# Altium PCB CYAN_EVSE_Logic_board_v1.0.PcbDoc (continued)
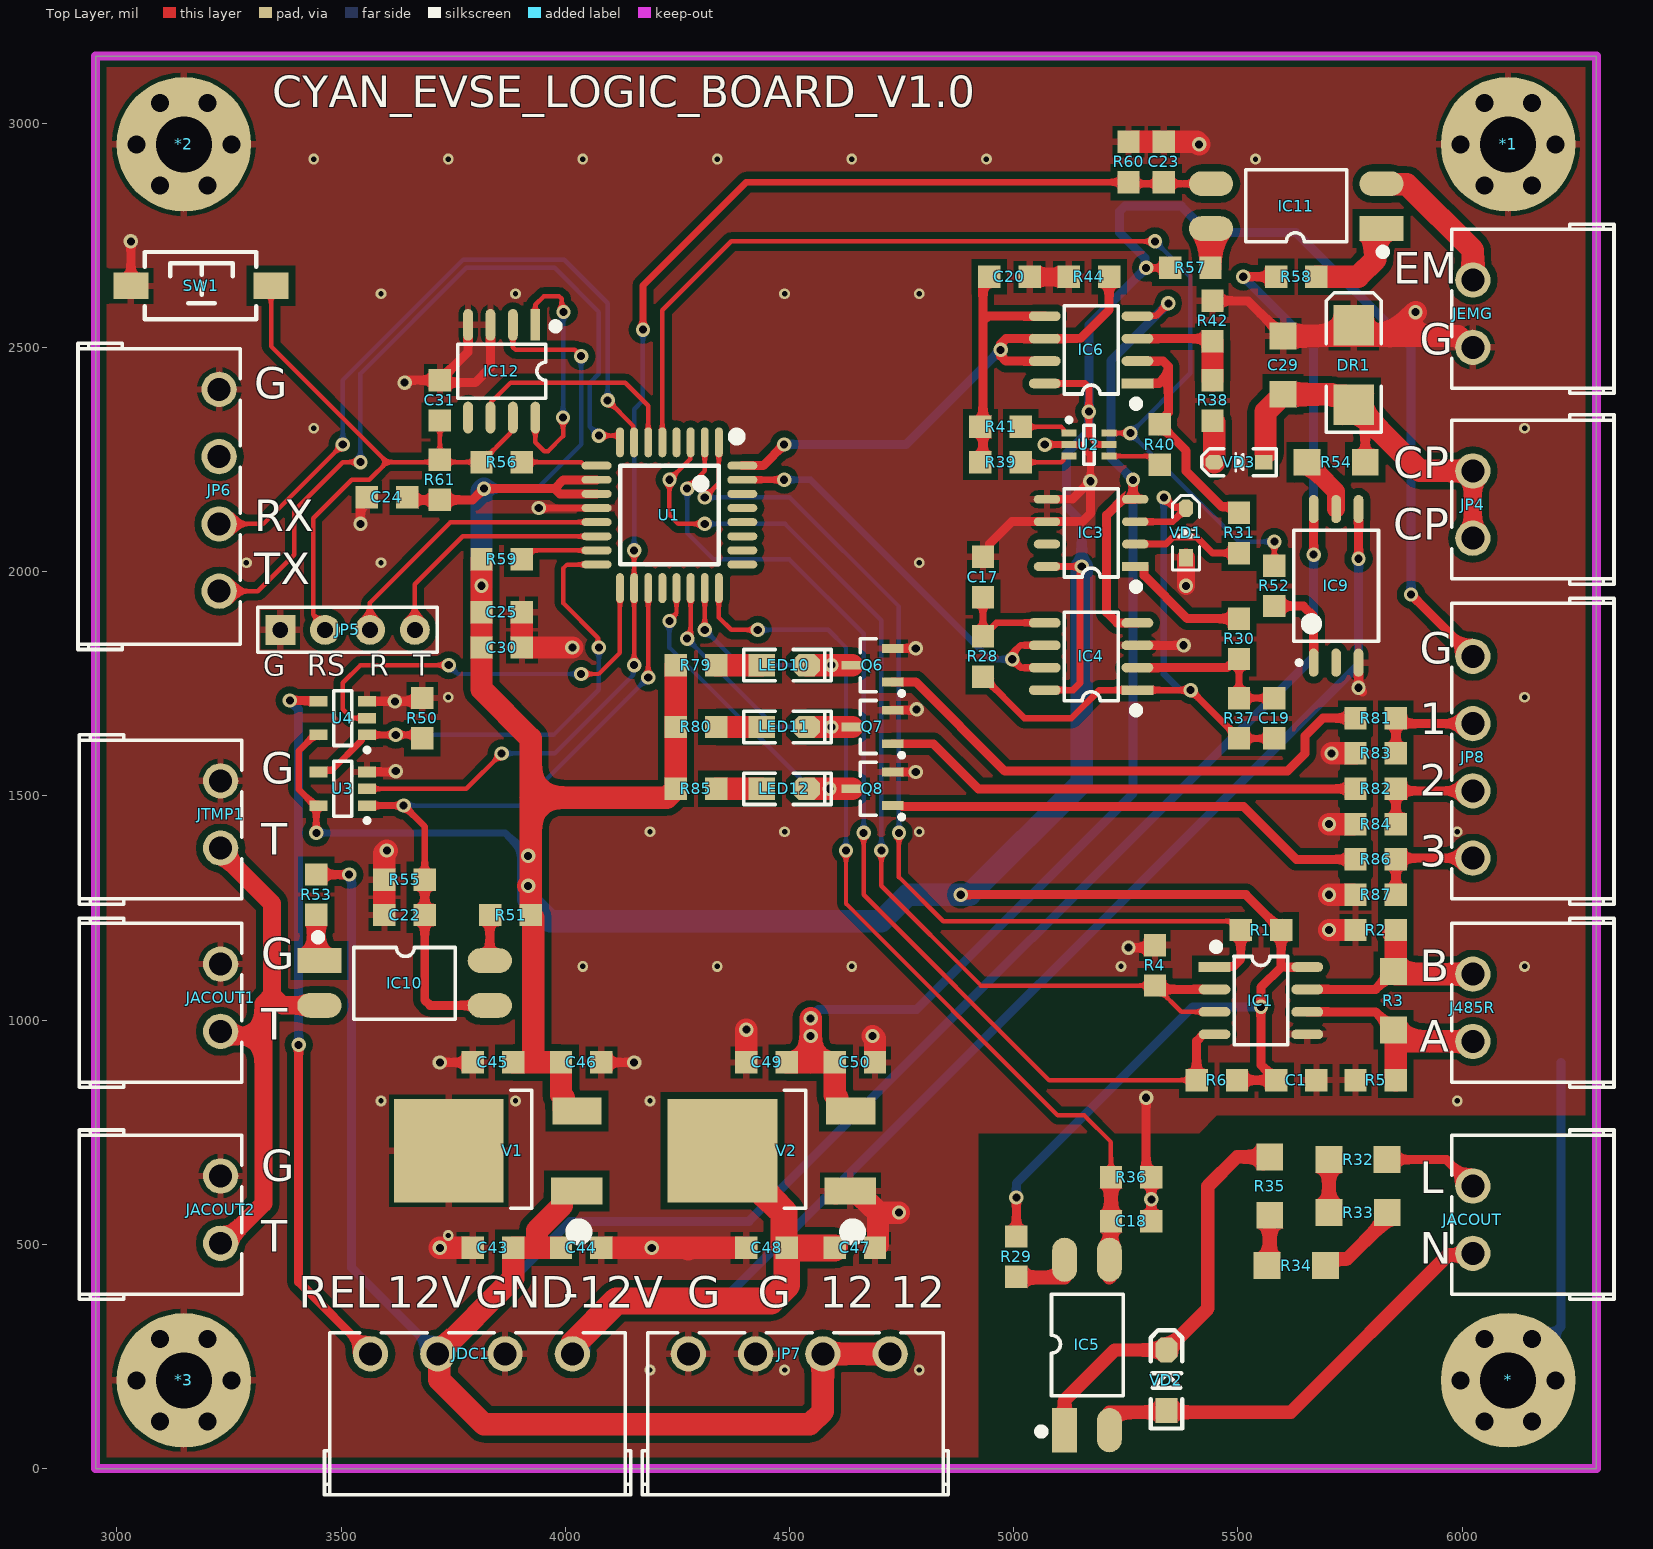
[diagram p0: Top Layer view]
## Part data
* *1 *2 *3: "铜柱孔"
C1 C17 C18 C19 C20 C22 C23 C24 C25 C30 C31: "无极性贴片电容", Voltage=20V
C29 C43 C44 C45 C46 C47 C48 C49 C50: "无极性贴片电容", Voltage=50V
DR1: library part DR, "瞬态电压抑制二极管"
IC1: "RS485总线收发芯片"
IC3: "双路电压比较,MOS下臂输出"
IC4 IC6: library part LM358, "双路运放"
IC5 IC10 IC11: "线性光耦"
IC9: "MOSFET/IGBT 驱动光耦，15-30v 1a"
IC12: library part SP706, "处理器监控芯片"
J485R JACOUT JACOUT1 JACOUT2 JEMG JP4 JTMP1: library part "Header 2", "2P接插件"
JDC1 JP5 JP6 JP7 JP8: library part "Header 4", "4P接插件"
LED10 LED11 LED12: library part LED-SMD, "贴片LED"
Q6 Q7 Q8: library part 9014-SMD, "低噪放大-NPN型"
R1 R2 R3 R4 R5 R6 R28 R29 R30 R31 R32 R33 R34 R35 R36 R37 R38 R39 R40 R41 R42 R44 R50 R51 R52 R53 R54 R55 R56 R57 R58 R59 R60 R61 R79 R80 R81 R82 R83 R84 R85 R86 R87: "贴片电阻"
SW1: library part "TSW 3x6"
U2: "Single-Pole, Double-Throw Analog Switch, DCK0006A, LARGE T&R", F @ Nom Voltage(Max)(Mhz)=150, Generic Part Number=SN74LVC1G3157, ICC @ Nom Voltage(Max)(mA)=0.01, Manufacturer="Texas Instruments", Operating Temperature Range(C)="-40 to 85", Rating=Catalog, Supplier Part Number 1=595-SN74LVC1G3157DCK, tpd @ Nom Voltage(Max)(ns)=2,1.2,0.8,0.3, Voltage(Nom)(V)=1.8,2.5,3.3,5, 3-State Output=No, Bits(#)=1, Channels(#)=1, ComponentLink1Description="Manufacturer URL", ComponentLink1URL=http://www.ti.com/, ComponentLink2Description=Datasheet, ComponentLink2URL=http://www.ti.com/lit/ds/symlink/sn74lvc1g3157.pdf, DatasheetVersion=SCES424H, Input Type=CMOS/TTL, Logic=True, Mux Configuration=1：2, Output Drive (IOL/IOH)(Max)(mA)=32/-32, Output Type=CMOS, PackageReference=DCK0006A, PartNumber=SN74LVC1G3157DCKR, Schmitt Trigger=No, Sub-Family="Analog Switch", Supplier 1=Mouser, Supplier 2=Digi-Key, Supplier 3=Digi-Key, Supplier 4=Digi-Key, Supplier Part Number 2=296-14909-2-ND, Supplier Part Number 3=296-14909-1-ND, Supplier Part Number 4=296-14909-6-ND, Switch Configuration=SPDT, Technology Family=LVC, VCC(Max)(V)=5.5, VCC(Min)(V)=1.65
U3: "Single 2-Input Positive-NOR Gate, DBV0005A, LARGE T&R", F @ Nom Voltage(Max)(Mhz)=150, Generic Part Number=SN74LVC1G02, ICC @ Nom Voltage(Max)(mA)=0.01, Manufacturer="Texas Instruments", Operating Temperature Range(C)="-40 to 125,-40 to 85", Rating=Catalog, Supplier Part Number 1=595-SN74LVC1G02DBVR, tpd @ Nom Voltage(Max)(ns)=8,5.5,4.5,4, Voltage(Nom)(V)=1.8,2.5,3.3,5, 3-State Output=No, Bits(#)=1, ComponentLink1Description="Manufacturer URL", ComponentLink1URL=http://www.ti.com/, ComponentLink2Description=Datasheet, ComponentLink2URL=http://www.ti.com/lit/ds/symlink/sn74lvc1g02.pdf, DatasheetVersion=SCES213X, Gate Type=NOR, Input Type=CMOS/TTL, Logic=True, Output Drive (IOL/IOH)(Max)(mA)=32/-32, Output Type=CMOS, PackageReference=DBV0005A, PartNumber=SN74LVC1G02DBVR, Schmitt Trigger=No, Sub-Family="NOR Gate", Supplier 1=Mouser, Supplier 2=Digi-Key, Supplier 3=Digi-Key, Supplier 4=Digi-Key, Supplier Part Number 2=296-11597-2-ND, Supplier Part Number 3=296-11597-1-ND, Supplier Part Number 4=296-11597-6-ND, Technology Family=LVC, VCC(Max)(V)=5.5, VCC(Min)(V)=1.65
U4: "Single 2-Input Positive-AND Gate, DBV0005A, LARGE T&R", F @ Nom Voltage(Max)(Mhz)=150, Generic Part Number=SN74LVC1G08, ICC @ Nom Voltage(Max)(mA)=0.01, Manufacturer="Texas Instruments", Operating Temperature Range(C)="-40 to 125,-40 to 85", Rating=Catalog, Supplier Part Number 1=595-SN74LVC1G08DBVR, tpd @ Nom Voltage(Max)(ns)=4.5,6,4,5, Voltage(Nom)(V)=1.8,2.5,3.3,5, 3-State Output=No, Bits(#)=1, ComponentLink1Description="Manufacturer URL", ComponentLink1URL=http://www.ti.com/, ComponentLink2Description=Datasheet, ComponentLink2URL=http://www.ti.com/lit/ds/symlink/sn74lvc1g08.pdf, DatasheetVersion=SCES217Y, Gate Type=AND, Input Type=CMOS/TTL, Logic=True, Output Drive (IOL/IOH)(Max)(mA)=32/-32, Output Type=CMOS, PackageReference=DBV0005A, PartNumber=SN74LVC1G08DBVR, Schmitt Trigger=No, Sub-Family="AND Gate", Supplier 1=Mouser, Supplier 2=Digi-Key, Supplier 3=Digi-Key, Supplier 4=Digi-Key, Supplier Part Number 2=296-11601-2-ND, Supplier Part Number 3=296-11601-1-ND, Supplier Part Number 4=296-11601-6-ND, Technology Family=LVC, VCC(Max)(V)=5.5, VCC(Min)(V)=1.65
V1: library part 78xx, "线性稳压芯片"
V2: library part 79xx, "线性稳压芯片"
VD1 VD3: "高速开关二极管"
VD2: "快恢复整流二极管"

## Via types
v1: diameter 32, hole 18, Top Layer to Bottom Layer, tented both sides, 91 vias
v2: diameter 24, hole 12, Top Layer to Bottom Layer, tented both sides, 35 vias
v3: diameter 32, hole 18, Top Layer to Bottom Layer, 4 vias

## Nets (pads, with @x,y where several pads share a name; then routed paths per layer and width w, separated by ;. In a path a pad name is that pad's centre, name@x,y a point inside that pad or via, vN(x,y) a via of type N, cw(c..) or ccw(c..) an arc to the next point about the centre after c; other vN are vias at no path point)
485_CS: IC1.2 IC1.3 R4.2 U1.3 | length 2327.3
  Top Layer w10: U1.3 4278.47,2287.14 4278.47,2250.91 v1(4232.28,2204.72) 4232.28,2125.98 4251.97,2106.3 v1(4311.02,2106.3) ; v1(4704.72,1377.95) 4704.72,1299.21 4926.89,1077.05 R4.2 5323.7,1068.31 5373.7,1018.31 IC1.3
  Top Layer w20: R4.2@5323.7,1068.31 IC1.2
  Bottom Layer w10: v1(4311.02,2106.3) 4490.03,2106.3 4704.72,1891.61 v1(4704.72,1377.95)
AC_OUT_L: JACOUT.2 R32.1 | length 215.4
  Top Layer w20: R32.1 5964.57,688.97 JACOUT.2
AC_OUT_N: IC5.2 JACOUT.1 VD2.1 | length 973.9
  Top Layer w30: IC5.2@5213.39,125.59 5336.79,125.59 VD2.1 5340.55,131.85 5350.55,141.85 VD2.1@5353.05,141.85 ; VD2.1@5344.31,125.59 5617.72,125.59 5968.18,476.05 6019.75,476.05 JACOUT.1
CM_CP_SIG: IC4.6 IC4.7 U1.31 | length 940.7
  Top Layer w15: U1.31 v1(4488.19,2204.72) ; IC4.7 5015.45,1785.73 v1(4996.67,1804.52) 4996.67,1816.94 5015.45,1835.73 IC4.6
  Bottom Layer w15: v1(4488.19,2204.72) 4547.24,2204.72 4947.45,1804.52 v1(4996.67,1804.52)
CP: C29.2 DR1.1 JP4.1 JP4.2 R54.1 VD3.1 | length 931.7
  Top Layer w20: R54.1 DR1.1@5783.8,2346.12
  Top Layer w40: DR1.1 DR1.1@5768.01,2381.59 ; JP4.1 JP4.2
  Top Layer w50: 5561.32,2263.48 5561.32,2355.96 C29.2 5708.6,2395.33 5711.91,2392.03 5737.89,2392.03 DR1.1 ; DR1.1@5758.17,2370.52 DR1.1 ; DR1.1@5799.61,2330.31 DR1.1@5783.8,2346.12 ; JP4.2 5905.51,2224.41 DR1.1@5783.8,2346.12 ; DR1.1 DR1.1@5783.8,2346.12
CP_SIG: R52.1 U1.5 U2.6 | length 2494.7
  Top Layer w10: U1.5 4216.54,2582.68 4370.08,2736.22 v1(5314.96,2736.22) ; U2.6 v1(5260.14,2308.76) ; R52.1 v1(5581,2066.63)
  Bottom Layer w10: v1(5314.96,2736.22) 5393.7,2657.48 5393.7,2442.32 v1(5260.14,2308.76) 5502.26,2066.63 v1(5581,2066.63)
DIN1: JP8.3 R81.2 R83.2 | length 255.3
  Top Layer w20: R83.2 R81.2 5864.29,1661.02 JP8.3
DIN2: JP8.2 R82.2 R84.2 | length 252.2
  Top Layer w20: R84.2 R82.2 5856.81,1511.02 JP8.2
DIN3: JP8.1 R86.2 R87.2 | length 251.4
  Top Layer w20: R87.2 R86.2 5854.84,1361.02 JP8.1
DIN_MCU: LED10.2 Q6.3 U1.23 | length 509.9
  Top Layer w10: v1(4311.02,1870.08) U1.23
  Top Layer w50: LED10.2 v1(4593.19,1791.34) Q6.3
  Bottom Layer w10: v1(4311.02,1870.08) 4389.76,1791.34 v1(4593.19,1791.34)
DIN_MCU2: LED11.2 Q7.3 U1.22 | length 621.1
  Top Layer w10: v1(4271.65,1850.39) 4271.65,1856.35 4279.53,1864.22 U1.22
  Top Layer w50: LED11.2 v1(4593.19,1653.54) Q7.3
  Bottom Layer w10: v1(4271.65,1850.39) 4468.5,1653.54 v1(4593.19,1653.54)
DIN_MCU3: LED12.2 Q8.3 U1.21 | length 728.3
  Top Layer w10: v1(4232.28,1889.76) 4232.28,1890.87 4248.03,1906.62 U1.21
  Top Layer w50: LED12.2 v1(4589.11,1515.75) Q8.3
  Bottom Layer w10: v1(4232.28,1889.76) 4232.28,1830.71 4547.24,1515.75 v1(4589.11,1515.75)
DL_RXD: JP5.3 U1.13 | length 640.3
  Top Layer w10: JP5.3 3564.57,1930.71 3744.09,2110.24 U1.13
DL_TXD: JP5.4 U1.14 | length 551.2
  Top Layer w10: JP5.4 3664.57,1971.65 3771.65,2078.74 U1.14
EMG_OUT: R50.1 U1.16 U3.4 U4.1 | length 1148.7
  Top Layer w10: U1.16 4003.94,2015.75 3996.06,2007.87 3996.06,1929.13 4072.73,1852.47 4072.73,1832.79 v1(4074.8,1830.71)
  Top Layer w15: U3.4 3453.67,1557.01 3479.26,1557.01 3545.89,1623.64 3545.89,1631.52 3550.2,1635.83 U4.1 v1(3622.05,1635.83) 3673.5,1635.83 R50.1
  Bottom Layer w10: v1(3622.05,1635.83) 3973.99,1635.83 4074.8,1736.64 v1(4074.8,1830.71)
EMG_STOP: C23.2 IC11.3 R60.2 U1.18 U3.2 | length 2939.4
  Top Layer w10: U3.2 3779.53,1515.75 v1(3858.27,1594.49) ; v1(4153.54,1791.34) U1.18 v1(4153.54,2047.24)
  Top Layer w15: v1(4173.23,2539.37) 4173.23,2637.8 4403.82,2868.39 R60.2 5259.33,2864.96 IC11.3
  Bottom Layer w10: v1(3858.27,1594.49) 3976.38,1594.49 4151.47,1769.58 4151.47,1789.26 v1(4153.54,1791.34) ; v1(4153.54,2047.24) 4153.54,2362.2 4173.23,2381.89 v1(4173.23,2539.37)
GND: *1.0 *2.0 *3.0 *.0 C1.1 C17.2 C18.1 C20.1 C22.1 C23.1 C24.1 C25.1 C29.1 C30.1 C31.1 C43.1 C44.1 C45.1 C46.1 C47.1 C48.1 C49.1 C50.1 DR1.2 IC1.5 IC3.5 IC3.6 IC4.3 IC9.3 IC12.3 IC12.4 JACOUT1.1 JACOUT2.1 JDC1.3 JEMG.1 JP5.1 JP6.1 JP7.1 JP7.2 JTMP1.1 Q6.2 Q7.2 Q8.2 R2.2 R4.1 R5.1 R36.1 R42.1 R44.1 R50.2 R55.1 R60.1 R83.1 R84.1 R87.1 SW1.1 U1.12 U2.2 U3.3 U4.3 V1.2 V2.1 VD1.1 | length 5537.6
  Top Layer w15: v1(3940.94,2141.73) U1.12 ; v1(5069.19,2283.17) U2.2 5123.7,2282.8 5148.31,2282.8 5170.9,2260.21 v1(5170.9,2201.4)
  Top Layer w20: v1(3031.5,2736.22) 3031.66,2736.05 SW1.1 ; v1(3543.31,2106.3) 3543.31,2151.3 C24.1 ; U3.3 3620.08,1553.15 v1(3622.05,1555.12) ; U4.3 v1(3620.08,1710.63) R50.2@3673.5,1710.63 ; v1(3641.73,2421.26) 3644.98,2421.26 3650.61,2426.89 C31.1 ; v1(3720.47,905.51) C45.1 ; IC12.4 3783.27,2489.69 C31.1 ; IC12.3 3833.27,2455.31 3799.21,2421.26 3726.1,2421.26 C31.1 ; C46.1 v1(4153.54,905.51) ; Q8.2 v1(4781.5,1553.15) v1@4783.46,1555.12 ; Q7.2 4781.5,1690.94 v1(4783.46,1692.91) ; Q6.2 v1(4781.5,1828.74) v1@4783.46,1830.71 ; C17.2 4946.4,2047.89 4946.4,2061.95 4995.77,2111.32 IC3.6 5153.25,2111.32 5170.9,2128.97 v1(5170.9,2201.4) 5130.82,2161.32 IC3.5 ; v1(5255.91,1161.42) 5309.33,1161.42 R4.1 ; IC4.3 v1(5378.84,1835.73) ; v1(5295.28,826.77) 5295.28,661.14 R36.1 v1(5306.81,600.39) C18.1 ; R42.1 5522.27,2603.76 C29.1 ; IC9.3 v1(5768.8,1741.04) v1@5777.85,1731.99
  Top Layer w40: C20.1 R44.1 ; v1(5384.15,1968.21) VD1.1
  Top Layer w50: C22.1 R55.1 3596.74,1372.33 v1(3602.36,1377.95) ; v1(3720.47,492.13) C43.1 ; C25.1 C30.1 v1(4015.75,1830.71) ; C44.1 v1(4192.91,492.13) ; 4232.28,492.13 v1(4192.91,492.13) ; 4274.41,489.37 4271.65,492.13 ; C48.1 4271.65,492.13 ; C49.1 v1(4403.82,978.62) ; V2.1@4603.02,614.11 4608.02,619.11 V2.1 4663.02,619.11 4668.02,614.11 4668.02,600.16 4697.31,570.87 ; v1(4685.04,964.57) 4690.67,958.94 C50.1 ; C47.1 4697.31,498.77 4697.31,570.87 ; v1(4744.09,570.87) 4697.31,570.87 ; R60.1 C23.1 5407.76,2958.39 v1(5413.39,2952.76) ; C29.1 5842.85,2525.33 ; v1(5703.03,1200.79) R2.2@5756.46,1200.79 ; v1(5703.03,1279.53) R87.1@5756.46,1279.53 ; v1(5703.03,1437.01) R84.1@5756.46,1437.01 ; v1(5708.66,1594.49) R83.1 ; v1(5895.96,2578.45) 5842.85,2525.33 ; JEMG.1 6015.84,2500 5990.51,2525.33 5842.85,2525.33 ; v1(4192.91,492.13) 4271.65,492.13
  Bottom Layer w20: *.0@6102.36,196.85 6102.36,198.62 6220.47,316.73 6220.47,905.51
  other v2: 4189.06,219.72 4489.06,219.72 4789.06,219.72 3739.06,519.72 3589.06,819.72 3889.06,819.72 4189.06,819.72 5989.06,819.72 4039.06,1119.72 4339.06,1119.72 4639.06,1119.72 5239.06,1119.72 6139.06,1119.72 4189.06,1419.72 4489.06,1419.72 4789.06,1419.72 5989.06,1419.72 3739.06,1719.72 6139.06,1719.72 3289.06,2019.72 3589.06,2019.72 4789.06,2019.72 3439.06,2319.72 6139.06,2319.72 3589.06,2619.72 3889.06,2619.72 4489.06,2619.72 4789.06,2619.72 3439.06,2919.72 3739.06,2919.72 4039.06,2919.72 4339.06,2919.72 4639.06,2919.72 4939.06,2919.72 5539.06,2919.72
NetC17_1: C17.1 IC4.5 R28.2 | length 237.4
  Top Layer w15: C17.1 R28.2 4961.4,1885.73 IC4.5
NetC19_1: C19.1 IC3.3 IC4.1 R28.1 R37.2 VD1.2 | length 1401.6
  Top Layer w15: R28.1 5024.19,1672.93 5128.25,1672.93 5191.04,1735.73 IC4.1 v1(5394.47,1735.73) R37.2 C19.1 ; IC3.3@5281.79,2111.32 5354.04,2111.32 5375.45,2132.73 5375.91,2132.73 5384.15,2140.98 VD1.2 5382.26,2143.33 5356.67,2143.33 v1(5334.65,2165.35)
  Bottom Layer w15: v1(5334.65,2165.35) 5334.65,1771.65 5370.57,1735.73 v1(5394.47,1735.73)
NetC19_2: C19.2 IC4.2 R30.2 R37.1 | length 400.3
  Top Layer w15: R30.2 R37.1 C19.2
  Top Layer w20: IC4.2 5475.55,1785.73 5479.92,1790.1 5487.26,1790.1 R30.2
NetC20_2: C20.2 IC6.5 R39.2 R41.2 | length 542.2
  Top Layer w20: R39.2@4931.4,2263.48 4931.4,2557.67 ; C20.2 4931.4,2643.13 4931.4,2557.67 ; IC6.5 4943.11,2569.39 4931.4,2557.67
NetIC1_6: IC1.6 J485R.1 R3.1 R5.2 | length 503.8
  Top Layer w20: IC1.6 5806.45,1018.31 R3.1
  Top Layer w50: R3.1 R3.1@5851.45,973.31 ; R5.2 5852.09,948.03 5851.45,948.66 R3.1@5851.45,973.31 ; J485R.1 5872.4,952.36 R3.1@5851.45,973.31
NetIC1_7: IC1.7 J485R.2 R2.1 R3.2 | length 490.9
  Top Layer w20: IC1.7 5806.45,1068.31 R3.2
  Top Layer w50: R2.1@5846.45,1195.15 R2.1 5852.09,1138.59 5851.45,1137.95 5851.45,1113.31 R3.2 5852.4,1102.36 J485R.2
NetIC3_1: IC3.1 R30.1 | length 290.8
  Top Layer w20: IC3.1 5290.34,2011.32 5290.49,2011.16 5290.49,1991.79 5387.19,1895.1 R30.1
NetIC3_2: IC3.2 R31.2 | length 242
  Top Layer w15: IC3.2@5281.79,2061.32 5339.47,2061.32 5355.47,2077.32 5407.21,2077.32 5443.21,2041.32 R31.2
NetIC5_1: IC5.1 R35.2 VD2.2 | length 875.4
  Top Layer w30: IC5.1@5113.39,125.59 5113.39,152.76 5224.98,264.35 VD2.2 5433.07,356.87 5433.07,629.92 5498.07,694.92 R35.2@5555.86,694.92 ; R35.2@5555.86,679.92 R35.2
NetIC5_4: IC5.4 R29.1 | length 100.9
  Top Layer w30: R29.1@5012.48,425.59 IC5.4@5113.39,425.59
NetIC6_1: IC6.1 IC6.2 R31.1 R40.1 | length 574.2
  Top Layer w20: IC6.1 5276.41,2419.91 5324.05,2419.91 5344.78,2440.65 ; IC6.2 5333.07,2469.39 5344.78,2457.67 5344.78,2440.65 ; R31.1 5488.71,2144.87 5463.39,2144.87 5384.15,2224.11 5384.15,2269.11 R40.1 5340.1,2343.17 5340.1,2350.2 5344.78,2354.89 5344.78,2440.65
NetIC6_3: IC6.3 R38.1 R42.2 | length 256.8
  Top Layer w20: IC6.3 5437.58,2519.39 R42.2
  Top Layer w50: R38.1 R42.2
NetIC9_1: IC9.1 R52.2 | length 200.5
  Top Layer w20: R52.2 5645.69,1923.21 5668.8,1900.1 IC9.1
NetIC9_5: IC9.5 R54.2 | length 131.3
  Top Layer w40: R54.2 5718.8,2178.79 IC9.5
NetIC10_1: IC10.1 R53.1 | length 104.7
  Top Layer w40: R53.1 3444.88,1139.53 IC10.1
NetIC10_2: IC10.2 JACOUT1.2 JACOUT2.2 JTMP1.2 | length 1194.9
  Top Layer w40: JTMP1.2@3224.9,1381.4 3346.46,1259.84 3346.46,1056.11 ; JACOUT1.2 3238.94,967.39 3266.33,967.39 3269.16,964.57 3326.77,964.57 ; JACOUT2.2@3234.09,497.87 3326.77,590.55 3326.77,964.57 ; IC10.2 3369.89,1032.68 3346.46,1056.11 ; 3326.77,964.57 3326.77,1036.42 3346.46,1056.11
NetIC10_4: IC10.4 R51.1 | length 102.1
  Top Layer w20: IC10.4 3831.73,1233.03 R51.1
NetIC11_1: IC11.1 R58.1 | length 228.5
  Top Layer w50: R58.1 5767.72,2657.48 5806.14,2695.9 5806.14,2762.4 5808.7,2764.96 IC11.1
NetIC11_2: IC11.2 JEMG.2 | length 331.7
  Top Layer w50: IC11.2 5820.9,2863.98 5876.18,2863.98 6023.62,2716.54 JEMG.2
NetIC11_4: IC11.4 R57.1 | length 88.3
  Top Layer w50: R57.1 5438.7,2763.74 IC11.4
NetIC12_1: IC12.1 IC12.8 | length 560.4
  Top Layer w10: IC12.8 3933.27,2288.71 3953.31,2268.68 3961.59,2268.68 3995.08,2302.17 v1(3995.08,2343.5) ; IC12.1 3933.35,2550.28 3933.35,2594.77 3952.55,2613.97 3986.06,2613.97 3991.92,2608.11 3991.92,2582.88 v1(3996.06,2578.74)
  Bottom Layer w10: v1(3995.08,2343.5) 3995.08,2577.76 v1(3996.06,2578.74)
NetLED10_1: LED10.1 R79.1 | length 101.9
  Top Layer w50: R79.1 LED10.1
NetLED11_1: LED11.1 R80.1 | length 101.9
  Top Layer w50: R80.1 LED11.1
NetLED12_1: LED12.1 R85.1 | length 101.9
  Top Layer w50: R85.1 LED12.1
NetQ6_1: Q6.1 R81.1 | length 1186.4
  Top Layer w20: Q6.1 4781.5,1753.94 4980.31,1555.12 5610.24,1555.12 5649.61,1594.49 5649.61,1633.86 5688.98,1673.23 R81.1
NetQ7_1: Q7.1 R82.1 | length 1073.6
  Top Layer w20: Q7.1 4820.87,1616.14 4921.26,1515.75 R82.1
NetQ8_1: Q8.1 R86.1 | length 1081.8
  Top Layer w20: Q8.1 4730.2,1478.19 4749.74,1478.19 4751.55,1476.38 5511.81,1476.38 5629.92,1358.27 R86.1
NetR32_2: R32.2 R33.1 | length 118.1
  Top Layer w30: R33.1 R32.2
NetR33_2: R33.2 R34.1 | length 194.8
  Top Layer w30: R34.1 5709.92,467.75 5743.34,467.75 5817.72,542.13 5817.72,555.87 R33.2
NetR34_2: R34.2 R35.1 | length 114.6
  Top Layer w30: R34.2 5570.86,458.7 R35.1
NetR38_2: R38.2 VD3.2 | length 88.9
  Top Layer w50: VD3.2 R38.2@5447.15,2332.66
NetR39_1: R39.1 U2.3 | length 116.2
  Top Layer w10: R39.1 5105.74,2243.8 5111.59,2249.66 5111.59,2254.7 5114.47,2257.58 U2.3
NetR40_2: R40.2 U2.4 | length 121.2
  Top Layer w10: U2.4 5305.69,2257.58 R40.2
NetR41_1: R41.1 U2.1 | length 116.2
  Top Layer w10: R41.1 5105.74,2322.54 5111.59,2316.68 5111.59,2311.63 5114.47,2308.76 U2.1
NetR56_2: R56.2 U1.9 | length 169.8
  Top Layer w10: R56.2 4035.51,2244.09 4043.39,2236.22 U1.9
NetR59_2: R59.2 U1.15 | length 174.7
  Top Layer w10: R59.2 3922.95,2047.24 U1.15
OUT_VOL: C18.2 IC5.3 R36.2 U1.24 | length 2062.7
  Top Layer w10: U1.24 4342.52,1897.64 4370.08,1870.08 v1(4429.13,1870.08) ; v1(4625.98,1377.95) 4625.98,1259.84 5098.43,787.4 5157.48,787.4 5216.81,728.07 R36.2
  Top Layer w30: IC5.3@5213.39,425.59 5216.81,429.02 C18.2 R36.2
  Bottom Layer w10: v1(4429.13,1870.08) 4586.61,1870.08 4625.98,1830.71 v1(4625.98,1377.95)
RELAY_EN: JDC1.1 U4.4 | length 1596
  Top Layer w20: v1(3385.83,1712.6) 3430.48,1712.6 3430.64,1712.44 3447.99,1712.44 U4.4 ; v1(3405.51,944.88) 3405.51,416.14 JDC1.1
  Bottom Layer w20: v1(3385.83,1712.6) 3405.51,1692.91 v1(3405.51,944.88)
RELAY_OUT: U1.17 U4.2 | length 927.9
  Top Layer w10: U4.2 3523.62,1673.23 3503.94,1692.91 3503.94,1751.97 3543.31,1791.34 v1(3740.16,1791.34) ; v1(4035.43,1771.65) 4074.8,1771.65 4122.05,1818.9 U1.17
  Bottom Layer w10: v1(3740.16,1791.34) 3759.84,1771.65 v1(4035.43,1771.65)
RST: C31.2 IC12.7 JP5.2 R56.1 R61.1 SW1.2 | length 1403.4
  Top Layer w10: SW1.2 3343.98,2502.48 3602.36,2244.09 ; JP5.2 3464.57,1877.05 3437.92,1903.69 3437.92,2119.03 3523.62,2204.72 3562.99,2204.72 3602.36,2244.09 ; R61.1 C31.2 ; IC12.7 3883.27,2315.74 3877.44,2309.92 3877.44,2308.27 R56.1 3720.47,2244.09 3602.36,2244.09
ST_RXD: IC1.1 R1.1 U1.1 | length 2214.3
  Top Layer w10: v1(4311.02,2165.35) 4342.52,2196.85 U1.1 ; v1(4744.09,1417.32) 4744.09,1318.9 4842.52,1220.47 5486.5,1220.47 R1.1
  Top Layer w20: IC1.1 5448.66,1119.13 5489.21,1119.13 5506.18,1136.1 R1.1
  Bottom Layer w10: v1(4311.02,2165.35) 4500.8,2165.35 4744.09,1922.06 v1(4744.09,1417.32)
ST_TXD: IC1.4 R6.1 U1.2 | length 2333.7
  Top Layer w10: v1(4271.65,2185.04) 4311.02,2224.41 U1.2 ; v1(4665.35,1417.32) 4665.35,1279.53 5078.74,866.14 R6.1
  Top Layer w20: R6.1 5407.76,953.28 5422.78,968.31 IC1.4
  Bottom Layer w10: v1(4271.65,2185.04) 4271.65,2086.61 4330.71,2027.56 4498.95,2027.56 4665.35,1861.16 v1(4665.35,1417.32)
SW_CP_SIG: IC6.6 IC6.7 R44.2 U1.32 | length 1159.4
  Top Layer w20: U1.32 4440.94,2236.22 v1(4488.19,2283.46) ; IC6.7 4982.48,2469.39 4970.77,2481.11 v1(4970.77,2494.39) 4970.77,2507.67 4982.48,2519.39 IC6.6 5147.93,2519.39 5212.62,2584.07 R44.2
  Bottom Layer w20: v1(4488.19,2283.46) 4759.84,2283.46 v1(4970.77,2494.39)
TMP_ERR: C22.2 IC10.3 R55.2 U1.19 U3.1 | length 1548
  Top Layer w10: v1(4185.04,1763.78) U1.19
  Top Layer w15: U3.1 v1(3639.76,1478.35) 3686.74,1431.37 R55.2 R55.2@3686.74,1299.21
  Top Layer w20: R55.2@3686.74,1299.21 C22.2 3686.74,1044.39 3698.45,1032.68 IC10.3
  Bottom Layer w10: v1(3639.76,1478.35) 3899.61,1478.35 4133.86,1712.6 v1(4185.04,1763.78)
VCC5V: C1.2 C24.2 C25.2 C30.2 C45.2 C46.2 IC1.8 IC3.8 IC4.8 IC6.8 IC12.2 JP8.4 R1.2 R6.2 R29.2 R51.2 R57.2 R59.1 R61.2 R79.2 R80.2 R85.2 U1.10 U1.11 U2.5 U3.5 U4.5 V1.3 | length 11425.9
  Top Layer w10: IC12.2 3883.27,2500.54 3889.13,2494.68 4021.06,2494.68 v1(4035.43,2480.32)
  Top Layer w15: v1(3444.88,1417.32) 3444.88,1474.04 U3.5@3449.19,1478.35 ; U3.5 3441.93,1478.35 3437.62,1482.66 3405.51,1514.76 3405.51,1599.41 3441.93,1635.83 U4.5 ; IC4.8 5131.99,1735.73 5147.93,1751.67 5147.93,1995.56 5148.42,1996.05 5148.42,2008.07 v1(5151.67,2011.32) IC3.8@5084.94,2011.32 ; IC6.8 5158.83,2419.39 5167.62,2410.6 v1(5167.62,2356.73) 5167.62,2302.85 5186.93,2283.54 5211.54,2283.54 U2.5 ; v1(5295.28,2677.17) R57.2
  Top Layer w20: C24.2 3652.99,2159.72 R61.2 3793.58,2159.72 v1(3818.9,2185.04) 3976.38,2185.04 ; U1.11 3988.19,2173.23 3976.38,2185.04 ; U1.10 3996.06,2204.72 3976.38,2185.04 ; v1(4881.89,1279.53) 5517.44,1279.53 R1.2 5596.18,1117.85 ; R29.2 v1(5005.91,604.33) ; R6.2 C1.2 5551.18,899.88 5551.18,1072.85 5596.18,1117.85 ; IC1.8 5596.64,1118.31 5596.18,1117.85 ; v1(5885.83,1948.82) JP8.4
  Top Layer w50: R59.1 v1(3813.27,1968.5) 3813.27,1737.91 3922.95,1628.23 3922.95,1496.06 ; C45.2 3928.79,905.51 ; v1(3917.32,1299.21) v1@3922.95,1293.58 ; V1.3 4001.28,797.11 3996.28,802.11 3996.28,827.11 3990.43,832.96 C46.2 3928.79,905.51 ; R79.2 R80.2 R85.2 4226.65,1496.06 3922.95,1496.06 ; v1@3922.95,1293.58 3922.95,1496.06 ; v1@3922.95,1293.58 R51.2 3928.79,1228.42 3928.79,905.51
  Bottom Layer w10: v1(3818.9,2185.04) 3937.01,2185.04 4035.43,2283.46 v1(4035.43,2480.32)
  Bottom Layer w15: v1(3444.88,1417.32) 3866.24,1417.32 v1(3917.32,1366.24)
  Bottom Layer w20: v1(5005.91,604.33) 5005.91,635.83 5399.61,1029.53 v1(5551.18,1029.53) ; v1(5151.67,2011.32) 5151.67,2111.32 5118.11,2144.88 5118.11,2263.78 5167.62,2313.29 v1(5167.62,2356.73) 5167.62,2549.51 v1(5295.28,2677.17) 5292.98,2679.46 5292.98,2699.15 5236.22,2755.91 5236.22,2803.24 5247.94,2814.96 5374.02,2814.96 5433.07,2755.91 5629.92,2755.91 5885.83,2500 v1(5885.83,1948.82)
  Bottom Layer w50: v1(3813.27,1968.5) 3813.27,2179.41 v1(3818.9,2185.04) ; v1(3917.32,1366.24) 3917.32,1269.55 3966.4,1220.47 4704.72,1220.47 4763.78,1279.53 v1(4881.89,1279.53) 4901.57,1279.53 5151.67,1529.63 v1(5151.67,2011.32)
VCC12V: C43.2 C44.2 IC9.6 JDC1.2 JP7.3 JP7.4 R53.2 R58.2 V1.1 | length 6745.6
  Top Layer w20: R53.2 v1(3517.99,1324.53) ; v1(5511.81,2657.48) R58.2 ; v1(5668.8,2037.89) IC9.6
  Top Layer w50: C44.2 3937.01,492.13 ; V1.1 3997.78,619.11 3992.78,614.11 3992.78,586.61 3937.01,530.83 3937.01,492.13 ; JP7.4 JP7.3 4574.41,127.71 4545.12,98.43 3818.9,98.43 3719.45,197.87 3719.45,252.2 JDC1.2 3883.58,423.74 C43.2 3937.01,492.13
  Bottom Layer w20: v1(3517.99,1324.53) 3520.29,1322.23 3520.29,1313.75 3523.62,1310.41 3523.62,448.03 JDC1.2 4011.02,551.18 4409.45,551.18 5668.8,1810.53 v1(5668.8,2037.89) 5668.8,2500.49 v1(5511.81,2657.48)
VCC-5V: C49.2 C50.2 IC3.4 IC4.4 IC6.4 V2.3 | length 2988.4
  Top Layer w15: IC6.4 5276.68,2570.18 5316.83,2570.18 v1(5344.78,2598.13)
  Top Layer w20: v1(5266.04,2204.43) 5266.04,2163.48 5268.21,2161.32 IC3.4 ; IC4.4 5230.41,1885.73 5206.99,1909.15 5206.99,2125.69 5241.72,2160.42 5270.07,2160.42 IC3.4 ; IC3.4@5281.79,2161.32 IC3.4
  Top Layer w50: C49.2 4547.24,905.51 ; v1(4547.24,1003.94) v1(4547.24,964.57) 4547.24,905.51 ; V2.3 4611.52,797.11 4606.52,802.11 4606.52,827.11 4600.67,832.96 C50.2 4547.24,905.51
  Bottom Layer w20: v1(4547.24,964.57) v1(4547.24,1003.94) 4547.24,1005.91 4564.96,1023.62 4783.46,1023.62 5266.04,1506.2 v1(5266.04,2204.43) 5216.54,2253.94 5216.54,2469.88 v1(5344.78,2598.13)
VCC-12V: C47.2 C48.2 IC9.4 JDC1.4 V2.2 | length 3835.3
  Top Layer w20: v1(5768.8,2028.64) IC9.4
  Top Layer w60: JDC1.4 4019.33,259.49 4019.33,279.18 4114.17,374.02 4458.67,374.02 4493.82,409.16 C48.2 ; V2.2@4403.82,655.24 V2.2 4357.89,708.66 4442.89,623.66 4442.89,616.16 4488.19,570.87 4488.19,497.76 C48.2 ; C47.2 C48.2
  Bottom Layer w20: JDC1.4 4133.86,374.02 4350.39,374.02 5768.8,1792.42 v1(5768.8,2028.64)
WDG_FEED: IC12.6 U1.6 | length 506.4
  Top Layer w10: IC12.6 3835.5,2345.73 3835.5,2378.8 3877.95,2421.26 4133.86,2421.26 4185.04,2370.08 U1.6
WS_RXD: JP6.3 U1.7 | length 1568.9
  Top Layer w10: JP6.3 3326.77,2106.3 v3(3503.94,2283.46) ; v3(4094.49,2381.89) 4152.07,2324.31 4152.07,2289.67 U1.7
  Bottom Layer w10: v3(3503.94,2283.46) 3503.94,2427.03 3772.07,2695.17 3997.75,2695.17 4094.49,2598.43 v3(4094.49,2381.89)
WS_TXD: JP6.4 U1.8 | length 1710.8
  Top Layer w10: JP6.4 3314.57,1956.3 3395.67,2037.4 3395.67,2135.83 3503.94,2244.09 v3(3543.31,2244.09) ; v3(4074.8,2303.15) 4118.48,2303.15 4122.05,2299.58 U1.8
  Bottom Layer w10: v3(3543.31,2244.09) 3543.31,2440.94 3779.53,2677.17 3976.38,2677.17 4074.8,2578.74 4074.8,2440.94 4055.12,2421.26 4055.12,2322.83 v3(4074.8,2303.15)
pads on no net: IC3.7 IC9.2 IC12.5 JP6.2 U1.4 U1.20 U1.25 U1.26 U1.27 U1.28 U1.29 U1.30

## Polygon pours and split planes (outlines as drawn)
GND on Bottom Layer "NONET_L-01_P-001" (solid, remove dead copper, pour order 1): 2952.76,0 2952.76,3149.61 6299.21,3149.61 6299.21,0
GND on Top Layer "NONET_L-01_P-001" (solid, remove dead copper, pour order 0): 2952.76,0 2952.76,3149.61 6299.21,3149.61 6299.21,0

## Keep-outs
Keep-Out Layer:
  the board outline again, w19.68

## Other copper
Top Layer:
  pour cut-out: 4921.26,0 4921.26,748.03 5413.39,748.03 5452.76,787.4 6299.21,787.4 6299.21,0
Bottom Layer:
  pour cut-out: 4921.26,0 4921.26,748.03 5413.39,748.03 5452.76,787.4 6299.21,787.4 6299.21,0

## Silkscreen, mask and mechanical layers (free items; w line width, h text height)
Top Overlay:
  text "CYAN_EVSE_LOGIC_BOARD_V1.0" at 3346.46,3011.81 h120
  text "EM" at 5846.46,2618.11 h120
  text "G" at 5905.51,2460.63 h120
  text "G" at 3307.09,2362.2 h120
  text "CP" at 5846.46,2185.04 h120
  text "RX" at 3307.09,2066.93 h120
  text "CP" at 5846.46,2047.24 h120
  text "TX" at 3307.09,1948.82 h120
  text "G" at 5905.51,1771.65 h120
  text "G" at 3326.77,1751.97 h80
  text "RS" at 3425.2,1751.97 h80
  text "R" at 3562.99,1751.97 h80
  text "T" at 3661.42,1751.97 h80
  text "1" at 5905.51,1614.17 h120
  text "G" at 3322.09,1503.09 h120
  text "2" at 5905.51,1476.38 h120
  text "T" at 3322.09,1345.61 h120
  text "3" at 5905.51,1318.9 h120
  text "G" at 3322.09,1089.71 h120
  text "B" at 5905.51,1062.99 h120
  text "T" at 3322.09,932.22 h120
  text "A" at 5905.51,905.51 h120
  text "G" at 3322.09,617.27 h120
  text "L" at 5905.51,590.55 h120
  text "T" at 3322.09,459.78 h120
  text "N" at 5905.51,433.07 h120
  text "REL" at 3405.51,334.65 h120
  text "12V" at 3602.36,334.65 h120
  text "GND" at 3799.21,334.65 h120
  text "-12V" at 3996.06,334.65 h120
  text "G" at 4271.65,334.65 h120
  text "G" at 4429.13,334.65 h120
  text "12" at 4566.93,334.65 h120
  text "12" at 4724.41,334.65 h120

## Text inside footprints (layer, text, board x,y; h text height)
J485R: Mechanical 14 "2" at 6127.95,1088.98 h39.37 r90; Mechanical 14 "1" at 6127.95,938.98 h39.37 r90
JACOUT: Mechanical 14 "2" at 6127.95,616.54 h39.37 r90; Mechanical 14 "1" at 6127.95,466.54 h39.37 r90
JACOUT1: Mechanical 14 "2" at 3127.2,988.19 h39.37 r270; Mechanical 14 "1" at 3127.2,1138.19 h39.37 r270
JACOUT2: Mechanical 14 "2" at 3127.2,515.75 h39.37 r270; Mechanical 14 "1" at 3127.2,665.75 h39.37 r270
JDC1: Mechanical 14 "4" at 4002.36,151.57 h39.37; Mechanical 14 "3" at 3852.36,151.57 h39.37; Mechanical 14 "2" at 3702.36,151.57 h39.37; Mechanical 14 "1" at 3552.36,151.57 h39.37
JEMG: Mechanical 14 "2" at 6127.95,2636.61 h39.37 r90; Mechanical 14 "1" at 6127.95,2486.61 h39.37 r90
JP4: Mechanical 14 "2" at 6127.95,2211.02 h39.37 r90; Mechanical 14 "1" at 6127.95,2061.02 h39.37 r90
JP6: Mechanical 14 "4" at 3124.02,1969.69 h39.37 r270; Mechanical 14 "3" at 3124.02,2119.69 h39.37 r270; Mechanical 14 "2" at 3124.02,2269.69 h39.37 r270; Mechanical 14 "1" at 3124.02,2419.69 h39.37 r270
JP7: Mechanical 14 "4" at 4711.02,151.57 h39.37; Mechanical 14 "3" at 4561.02,151.57 h39.37; Mechanical 14 "2" at 4411.02,151.57 h39.37; Mechanical 14 "1" at 4261.02,151.57 h39.37
JP8: Mechanical 14 "4" at 6127.95,1797.64 h39.37 r90; Mechanical 14 "3" at 6127.95,1647.64 h39.37 r90; Mechanical 14 "2" at 6127.95,1497.64 h39.37 r90; Mechanical 14 "1" at 6127.95,1347.64 h39.37 r90
JTMP1: Mechanical 14 "2" at 3127.2,1396.85 h39.37 r270; Mechanical 14 "1" at 3127.2,1546.85 h39.37 r270